# Altium PCB AX7103-2021-0629.PcbDoc (part 5 of 7)
Units mil, origin at the board's own origin, x right, y up, seen from the top; angles counter-clockwise.
Board outline 7406.51 x 4363.82 mil, 6 copper layers (TOP, SGND, IN1, IN2, SGND1, BOTTOM), stack 47.2 mil thick; 347 components, 454 nets, 1784 pads, 724 vias.
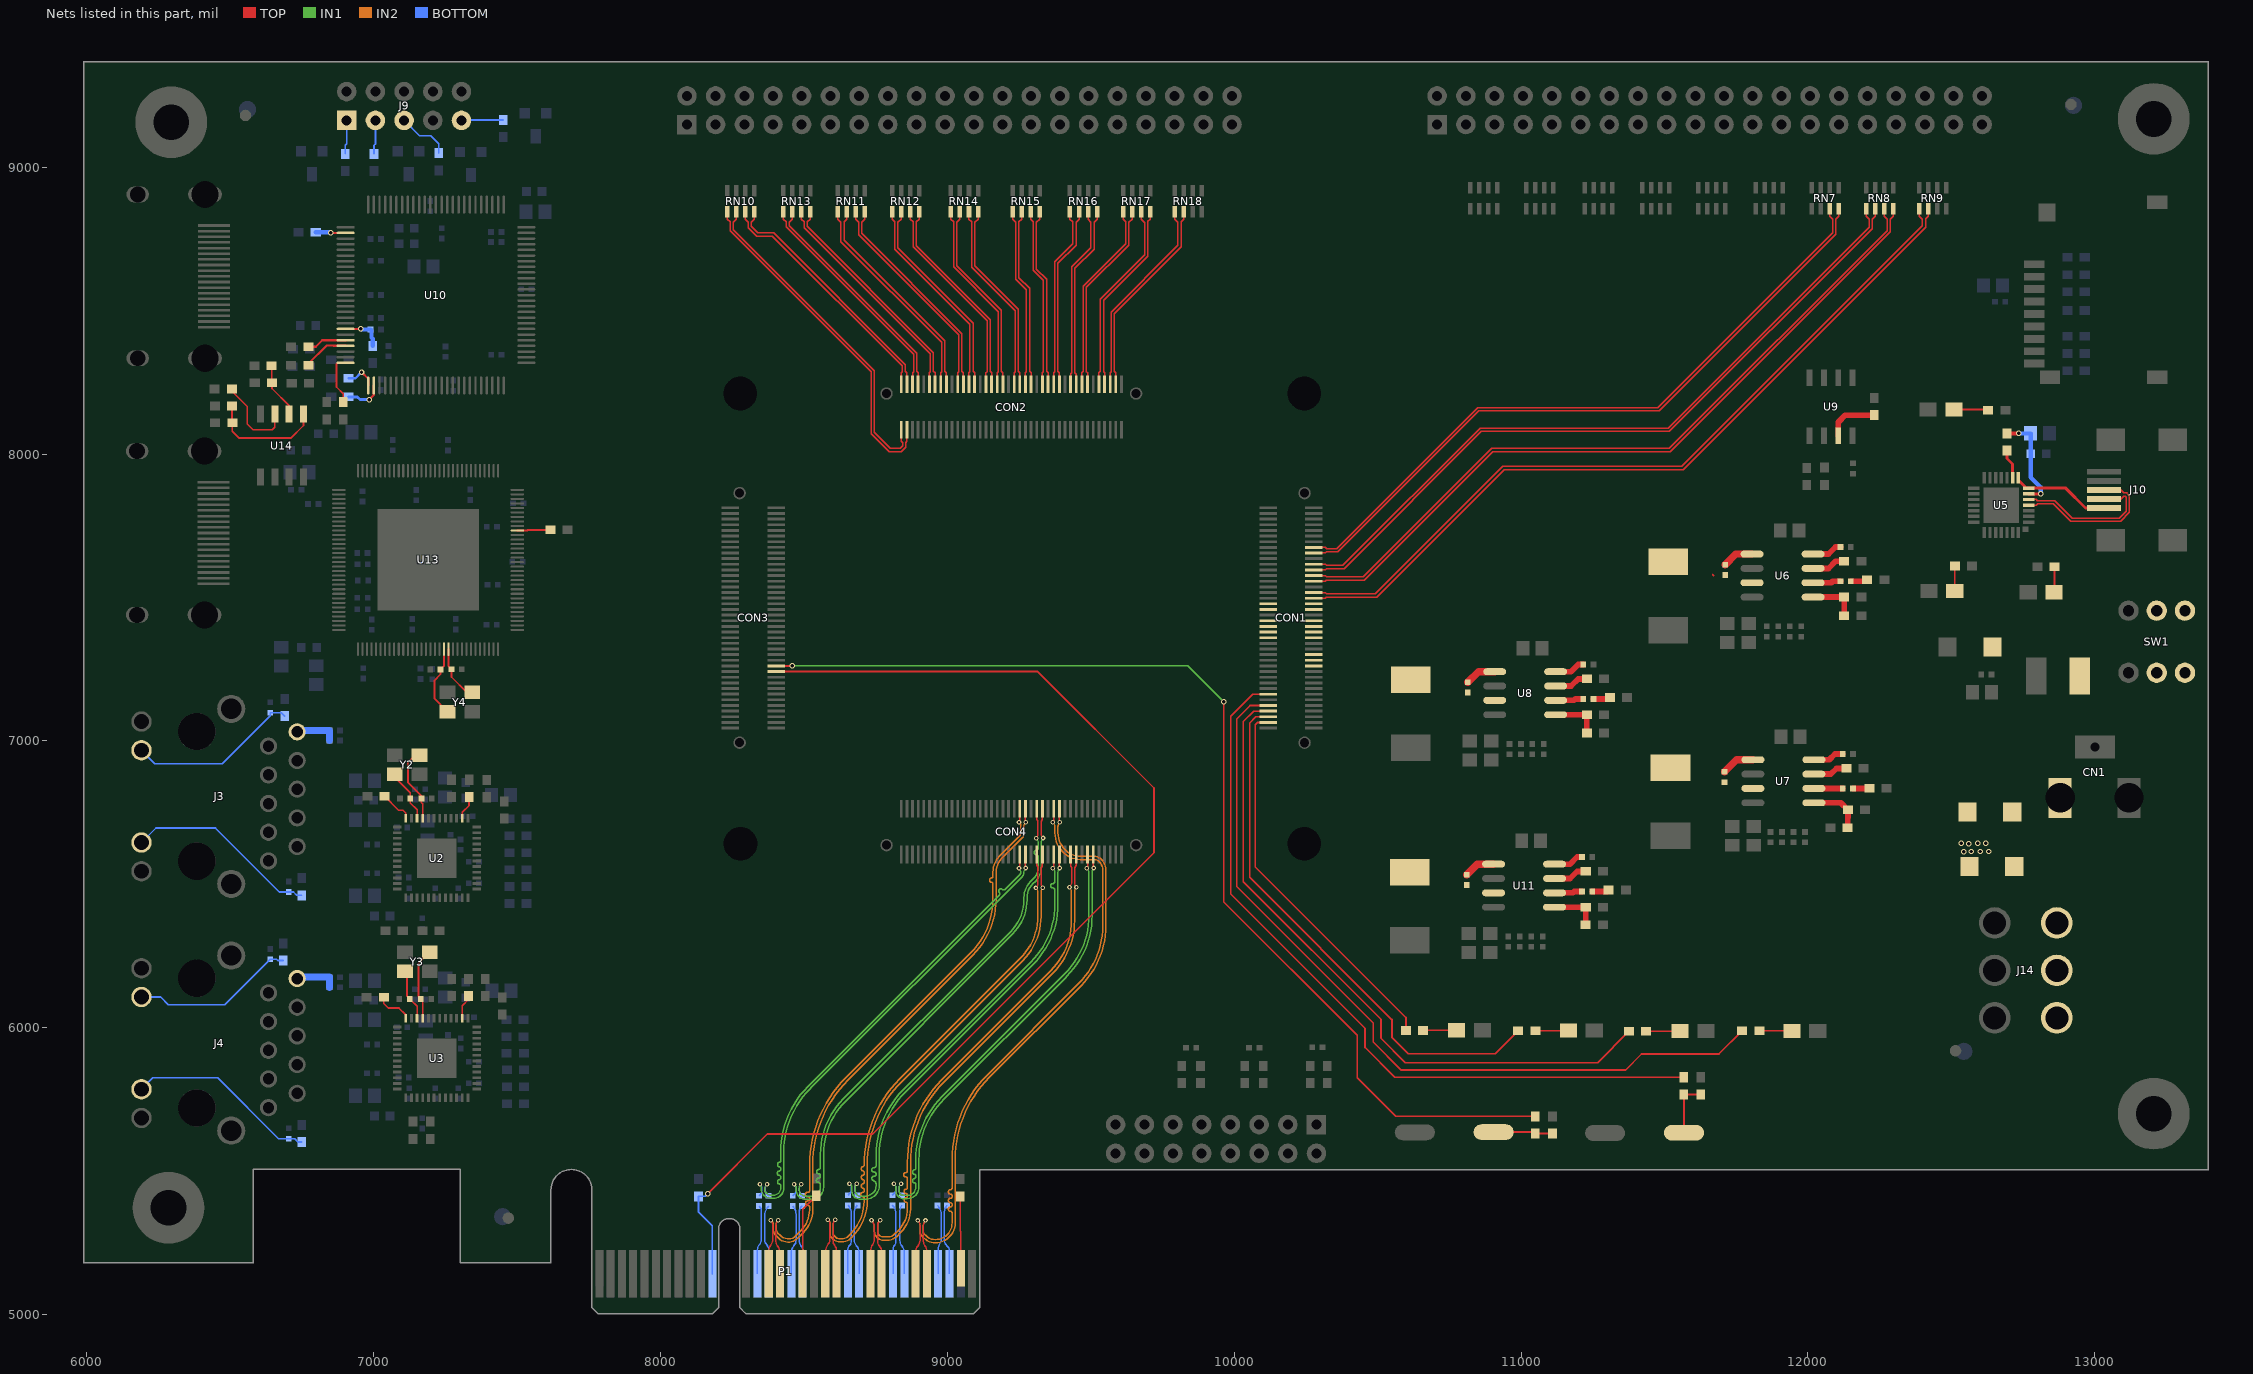
[diagram p9: the nets of this part, all layers, seen from the top]

## Via types
v1: diameter 19, hole 12, TOP to BOTTOM, 688 vias
v2: diameter 16, hole 8, TOP to BOTTOM, 36 vias

## Nets (pads, with @x,y where several pads share a name; then routed paths per layer and width w, separated by ;. In a path a pad name is that pad's centre, name@x,y a point inside that pad or via, vN(x,y) a via of type N, cw(c..) or ccw(c..) an arc to the next point about the centre after c; other vN are vias at no path point) (continued)
IO1_14N: CON1.18 RN7.4 | length 2372.1
  TOP w5: CON1.18@10278.03,7655.33 10317.95,7655.33 10322.47,7659.85 10362.04,7659.85 10853.04,8150.85 11481.04,8150.85 12097.04,8766.85 12097.04,8819.08 12107.29,8829.33 RN7.4@12107.29,8855.27
IO1_14P: CON1.16 RN7.3 | length 2353.7
  TOP w5: CON1.16@10278.03,7675.01 10317.95,7675.01 10322.11,7670.85 10357.48,7670.85 10848.48,8161.85 11476.48,8161.85 12086.04,8771.41 12086.04,8819.08 12075.79,8829.33 RN7.3@12075.79,8855.27
IO1_15N: CON1.24 RN8.2 | length 2512.4
  TOP w5: CON1.24@10278.03,7596.27 10317.95,7596.27 10322.53,7600.85 10384.04,7600.85 10862.04,8078.85 11517.04,8078.85 12224.04,8785.85 12224.04,8819.08 12234.3,8829.34 RN8.2@12234.3,8855.28
IO1_15P: CON1.22 RN8.1 | length 2494
  TOP w5: CON1.22@10278.03,7615.96 10317.94,7615.96 10322.05,7611.85 10379.48,7611.85 10857.48,8089.85 11512.48,8089.85 12213.04,8790.41 12213.04,8819.1 12202.8,8829.34 RN8.1@12202.8,8855.28
IO1_16N: CON1.28 RN8.4 | length 2598.2
  TOP w5: CON1.28@10278.03,7556.9 10317.95,7556.9 10321.9,7560.85 10454.04,7560.85 10902.04,8008.85 11521.04,8008.85 12287.04,8774.85 12287.04,8819.09 12297.29,8829.34 RN8.4@12297.29,8855.28
IO1_16P: CON1.26 RN8.3 | length 2580.3
  TOP w5: CON1.26@10278.03,7576.59 10317.94,7576.59 10322.68,7571.85 10449.48,7571.85 10897.48,8019.85 11516.48,8019.85 12276.04,8779.41 12276.04,8819.09 12265.79,8829.34 RN8.3@12265.79,8855.28
IO1_17N: CON1.34 RN9.2 | length 2735.9
  TOP w5: CON1.34@10278.03,7497.85 10317.95,7497.85 10321.95,7501.85 10497.04,7501.85 10941.04,7945.85 11565.04,7945.85 12410.04,8790.85 12410.04,8820.08 12419.3,8829.34 RN9.2@12419.3,8855.28
IO1_17P: CON1.32 RN9.1 | length 2718.7
  TOP w5: CON1.32@10278.03,7517.53 10317.95,7517.53 10322.63,7512.85 10492.48,7512.85 10936.48,7956.85 11560.48,7956.85 12399.04,8795.41 12399.04,8818.1 12387.8,8829.34 RN9.1@12387.8,8855.28
IO2_1N: CON2.3 RN10.1 | length 1196.2
  TOP w5: RN10.1@8232.8,8845.27 8232.8,8819.33 8243.04,8809.09 8243.04,8778.29 8735.04,8286.29 8735.04,8071.29 8797.48,8008.85 8840.04,8008.85 8855.04,8023.85 8855.04,8040.17 8859.23,8044.36 CON2.3@8859.23,8084.27
IO2_1P: CON2.1 RN10.2 | length 1159.9
  TOP w5: RN10.2@8264.3,8845.27 8264.3,8819.33 8254.04,8809.07 8254.04,8782.85 8746.04,8290.85 8746.04,8075.85 8802.04,8019.85 8835.48,8019.85 8844.04,8028.41 8844.04,8039.85 8839.54,8044.35 CON2.1@8839.54,8084.27
IO2_2N: CON2.4 RN10.4 | length 862.6
  TOP w5: RN10.4@8327.29,8845.27 8327.29,8819.33 8317.04,8809.08 8317.04,8793.85 8340.04,8770.85 8395.04,8770.85 8854.04,8311.85 8854.04,8288.81 8859.23,8283.62 CON2.4@8859.23,8243.71
IO2_2P: CON2.2 RN10.3 | length 861.9
  TOP w5: RN10.3@8295.79,8845.27 8295.79,8819.33 8306.04,8809.08 8306.04,8789.29 8335.48,8759.85 8390.48,8759.85 8843.04,8307.29 8843.04,8287.13 8839.54,8283.63 CON2.2@8839.54,8243.71
IO2_3N: CON2.8 RN13.2 | length 792
  TOP w5: RN13.2@8459.3,8845.28 8459.3,8819.34 8449.04,8809.08 8449.04,8796.85 8894.04,8351.85 8894.04,8288.18 8898.6,8283.62 CON2.8@8898.6,8243.71
IO2_3P: CON2.6 RN13.1 | length 791.8
  TOP w5: RN13.1@8427.8,8845.28 8427.8,8819.34 8438.04,8809.1 8438.04,8792.29 8883.04,8347.29 8883.04,8287.76 8878.91,8283.63 CON2.6@8878.91,8243.71
IO2_4N: CON2.14 RN13.4 | length 790.4
  TOP w5: RN13.4@8522.29,8845.28 8522.29,8819.34 8512.04,8809.09 8512.04,8795.41 8512.19,8795.26 8512.19,8793.7 8952.04,8353.85 8952.04,8289.24 8957.65,8283.63 CON2.14@8957.65,8243.71
IO2_4P: CON2.12 RN13.3 | length 789.3
  TOP w5: RN13.3@8490.79,8845.28 8490.79,8819.34 8501.04,8809.09 8501.04,8790.85 8501.19,8790.7 8501.19,8789.14 8941.04,8349.29 8941.04,8286.7 8937.97,8283.63 CON2.12@8937.97,8243.71
IO2_5N: CON2.16 RN11.1 | length 752.7
  TOP w5: RN11.1@8617.8,8845.27 8617.8,8819.33 8629.55,8807.58 8629.55,8740.78 8980.04,8390.29 8980.04,8286.33 8977.34,8283.63 CON2.16@8977.34,8243.71
IO2_5P: CON2.18 RN11.2 | length 752.8
  TOP w5: RN11.2@8649.3,8845.27 8649.3,8819.33 8640.55,8810.58 8640.55,8745.34 8991.04,8394.85 8991.04,8289.61 8997.02,8283.63 CON2.18@8997.02,8243.71
IO2_6N: CON2.22 RN11.3 | length 751.9
  TOP w5: RN11.3@8680.79,8845.27 8680.79,8819.33 8691.04,8809.08 8691.04,8764.85 9040.04,8415.85 9040.04,8287.28 9036.39,8283.63 CON2.22@9036.39,8243.71
IO2_6P: CON2.24 RN11.4 | length 752.5
  TOP w5: RN11.4@8712.29,8845.27 8712.29,8819.33 8702.04,8809.08 8702.04,8769.41 9051.04,8420.41 9051.04,8288.66 9056.08,8283.62 CON2.24@9056.08,8243.71
IO2_7N: CON2.28 RN12.2 | length 717
  TOP w5: RN12.2@8839.3,8845.28 8839.3,8819.34 8828.04,8808.08 8828.04,8718.85 9090.04,8456.85 9090.04,8289.03 9095.45,8283.62 CON2.28@9095.45,8243.71
IO2_7P: CON2.26 RN12.1 | length 715.3
  TOP w5: RN12.1@8807.8,8845.28 8807.8,8819.34 8817.04,8810.1 8817.04,8714.29 9079.04,8452.29 9079.04,8286.91 9075.76,8283.63 CON2.26@9075.76,8243.71
IO2_8N: CON2.32 RN12.3 | length 714.4
  TOP w5: RN12.3@8870.79,8845.28 8870.79,8819.34 8881.04,8809.09 8881.04,8722.29 9139.04,8464.29 9139.04,8287.85 9134.82,8283.63 CON2.32@9134.82,8243.71
IO2_8P: CON2.34 RN12.4 | length 714.5
  TOP w5: RN12.4@8902.29,8845.28 8902.29,8819.34 8892.04,8809.09 8892.04,8726.85 9150.04,8468.85 9150.04,8288.09 9154.5,8283.63 CON2.34@9154.5,8243.71
IO2_9N: CON2.36 RN14.1 | length 671.6
  TOP w5: RN14.1@9012.8,8845.27 9012.8,8819.33 9022.04,8810.09 9022.04,8652.29 9178.04,8496.29 9178.04,8287.48 9174.19,8283.63 CON2.36@9174.19,8243.71
IO2_9P: CON2.38 RN14.2 | length 672.8
  TOP w5: RN14.2@9044.3,8845.27 9044.3,8819.33 9033.04,8808.07 9033.04,8656.85 9189.04,8500.85 9189.04,8288.46 9193.87,8283.63 CON2.38@9193.87,8243.71
IO2_10N: CON2.44 RN14.4 | length 671.2
  TOP w5: RN14.4@9107.29,8845.27 9107.29,8819.33 9096.04,8808.08 9096.04,8656.41 9248.04,8504.41 9248.04,8288.51 9252.93,8283.62 CON2.44@9252.93,8243.71
IO2_10P: CON2.42 RN14.3 | length 669.9
  TOP w5: RN14.3@9075.79,8845.27 9075.79,8819.33 9085.04,8810.08 9085.04,8651.85 9237.04,8499.85 9237.04,8287.43 9233.24,8283.63 CON2.42@9233.24,8243.71
IO2_11N: CON2.48 RN15.2 | length 622.9
  TOP w5: RN15.2@9259.3,8845.28 9259.3,8819.34 9250.04,8810.08 9250.04,8614.85 9287.04,8577.85 9287.04,8288.88 9292.3,8283.62 CON2.48@9292.3,8243.71
IO2_11P: CON2.46 RN15.1 | length 623
  TOP w5: RN15.1@9227.8,8845.28 9227.8,8819.34 9239.04,8808.1 9239.04,8610.29 9276.04,8573.29 9276.04,8287.06 9272.61,8283.63 CON2.46@9272.61,8243.71
IO2_12N: CON2.52 RN15.3 | length 621.3
  TOP w5: RN15.3@9290.79,8845.28 9290.79,8819.34 9300.04,8810.09 9300.04,8640.29 9335.04,8605.29 9335.04,8287 9331.67,8283.63 CON2.52@9331.67,8243.71
IO2_12P: CON2.54 RN15.4 | length 622.9
  TOP w5: RN15.4@9322.29,8845.28 9322.29,8819.34 9311.04,8808.09 9311.04,8644.85 9346.04,8609.85 9346.04,8288.94 9351.35,8283.63 CON2.54@9351.35,8243.71
IO2_13N: CON2.56 RN16.1 | length 633.6
  TOP w5: CON2.56@9371.04,8243.71 9371.04,8283.63 9375.04,8287.63 9375.04,8670.41 9438.04,8733.41 9438.04,8809.09 9427.8,8819.33 RN16.1@9427.8,8845.27
IO2_13P: CON2.58 RN16.2 | length 633.8
  TOP w5: CON2.58@9390.72,8243.71 9390.72,8283.63 9386.04,8288.31 9386.04,8665.85 9449.04,8728.85 9449.04,8809.07 9459.3,8819.33 RN16.2@9459.3,8845.27
IO2_14N: CON2.62 RN16.3 | length 635.2
  TOP w5: CON2.62@9430.09,8243.71 9430.09,8279.34 9434.04,8283.29 9434.04,8652.41 9501.04,8719.41 9501.04,8809.08 9490.79,8819.33 RN16.3@9490.79,8845.27
IO2_14P: CON2.64 RN16.4 | length 635.5
  TOP w5: CON2.64@9449.78,8243.71 9449.78,8279.11 9445.04,8283.85 9445.04,8647.85 9512.04,8714.85 9512.04,8809.08 9522.29,8819.33 RN16.4@9522.29,8845.27
IO2_15N: CON2.66 RN17.1 | length 668.6
  TOP w5: CON2.66@9469.46,8243.71 9469.46,8283.63 9474.04,8288.21 9474.04,8585.41 9622.04,8733.41 9622.04,8810.1 9612.8,8819.34 RN17.1@9612.8,8845.28
IO2_15P: CON2.68 RN17.2 | length 669.2
  TOP w5: CON2.68@9489.15,8243.71 9489.15,8283.62 9485.04,8287.73 9485.04,8580.85 9633.04,8728.85 9633.04,8808.08 9644.3,8819.34 RN17.2@9644.3,8845.28
IO2_16N: CON2.72 RN17.3 | length 672.7
  TOP w5: CON2.72@9528.52,8243.71 9528.52,8283.63 9534.04,8289.15 9534.04,8540.41 9688.04,8694.41 9688.04,8807.09 9675.79,8819.34 RN17.3@9675.79,8845.28
IO2_16P: CON2.74 RN17.4 | length 670.1
  TOP w5: CON2.74@9548.2,8243.71 9548.2,8283.63 9545.04,8286.79 9545.04,8535.85 9699.04,8689.85 9699.04,8811.09 9707.29,8819.34 RN17.4@9707.29,8845.28
IO2_17N: CON2.78 RN18.2 | length 704.2
  TOP w5: CON2.78@9587.57,8243.71 9587.57,8283.63 9582.04,8289.16 9582.04,8489.85 9815.04,8722.85 9815.04,8810.08 9824.3,8819.34 RN18.2@9824.3,8845.28
IO2_17P: CON2.76 RN18.1 | length 704
  TOP w5: CON2.76@9567.89,8243.71 9567.89,8283.63 9571.04,8286.78 9571.04,8494.41 9804.04,8727.41 9804.04,8808.1 9792.8,8819.34 RN18.1@9792.8,8845.28
KEY1: CON3.23 R133.2 | length 3792.7
  TOP w6: CON3.23@8403.12,7261.67 8459.86,7261.67 v1(8460.04,7261.85) ; v1(9964.04,7136.85) 9964.04,6438.85 10429.04,5973.85 10429.04,5825.85 10563.04,5691.85 R133.2@11049.9,5691.85
  IN1 w5: v1(8460.04,7261.85) 9839.04,7261.85 v1(9964.04,7136.85)
KEY2: CON1.67 R158.2 | length 2664.4
  TOP w6: CON1.67@10118.59,7163.2 10065.39,7163.2 9988.04,7085.85 9988.04,6466.85 10456.04,5998.85 10456.04,5931.85 10560.04,5827.85 R158.2@11566.9,5827.85
LED1: CON1.77 R135.1 | length 1331.2
  TOP w6: CON1.77@10118.59,7064.78 10082.04,7064.78 10073.97,7056.71 10073.97,6560.92 10599.04,6035.85 R135.1@10599.04,5990.99
LED2: CON1.75 R134.1 | length 1871.8
  TOP w6: CON1.75@10118.59,7084.46 10075.65,7084.46 10054.04,7062.85 10054.04,6524.85 10550.04,6028.85 10550.04,5966.85 10607.04,5909.85 10909.9,5909.85 R134.1@10990.04,5989.99
LED3: CON1.73 R152.1 | length 2348.8
  TOP w6: CON1.73@10118.59,7104.15 10068.34,7104.15 10032.04,7067.85 10032.04,6509.85 10512.04,6029.85 10512.04,5963.85 10597.04,5878.85 11266.9,5878.85 R152.1@11376.04,5987.99
LED4: CON1.71 R153.1 | length 2835.6
  TOP w6: CON1.71@10118.59,7123.83 10118.11,7123.35 10055.54,7123.35 10009.04,7076.85 10009.04,6492.85 10485.04,6016.85 10485.04,5950.85 10583.04,5852.85 11364.04,5852.85 11420.04,5908.85 11689.9,5908.85 R153.1@11771.04,5989.99
N16762130: C154.2 R145.1 | length 57.1
  TOP w20: C154.2@12157.6,6834.62 12214.46,6834.62 R145.1@12214.6,6834.76
N16762134: C145.2 L14.1 U7.3
N16762178: R143.2 R144.1 U7.5 | length 191
  TOP w20: U7.5@12020.9,6784.62 12114.74,6784.62 R144.1@12139.6,6759.76 R143.2@12138.6,6697.76
N16762338: C153.1 U7.8 | length 109
  TOP w20: U7.8@12020.9,6934.62 12074.6,6934.62 12094.6,6954.62 C153.1@12121.6,6954.62
N16762406: C145.1 U7.1 | length 116.1
  TOP w25: C145.1@11709.6,6892.62 11751.6,6934.62 U7.1@11808.3,6934.62
N16762558: C154.1 U7.6 | length 100.7
  TOP w20: U7.6@12020.9,6834.62 C154.1@12121.6,6834.62
N16762594: R142.2 U7.7 | length 121.9
  TOP w20: U7.7@12020.9,6884.62 12079.74,6884.62 12099.6,6904.48 R142.2@12134.6,6904.48
N16786209: J10.1 U5.7 U5.8 | length 347.3
  TOP w10: U5.8@12733.31,7917.85 12733.31,7909.58 12761.65,7881.24 U5.7@12769.92,7881.24 12898.65,7881.24 12967.9,7811.99 J10.1@13031.9,7811.99
N16786264: J10.2 U5.5 | length 509.9
  TOP w5: U5.5@12769.92,7841.87 12796.3,7841.87 12800.32,7837.85 12860.04,7837.85 12921.04,7776.85 13085.48,7776.85 13110.04,7801.41 13110.04,7850.29 13106.6,7853.73 13100.92,7853.73 13090.67,7843.48 J10.2@13031.9,7843.48
N16786323: J10.3 U5.4 | length 546.6
  TOP w5: U5.4@12769.92,7822.18 12796.31,7822.18 12800.98,7826.85 12855.48,7826.85 12916.48,7765.85 13090.04,7765.85 13121.04,7796.85 13121.04,7854.85 13111.16,7864.73 13100.16,7864.73 13089.91,7874.98 J10.3@13031.9,7874.98
N16786347: R125.1 U5.9 | length 102.4
  TOP w10: R125.1@12694.11,8012.18 12694.11,7984.78 12713.62,7965.27 U5.9@12713.62,7917.85
N16786363: C129.1 C130.1 R125.2 U5.6 | length 349.3
  TOP w10: U5.6@12769.92,7861.55 v1(12811.74,7861.55)
  TOP w15: R125.2@12694.11,8072.18 v1(12734.37,8072.18)
  BOTTOM w15: v1(12734.37,8072.18) C130.1@12776.25,8072.18 12776.75,8071.68 C129.1@12776.75,8001.18 12777.04,8000.89 12777.04,7918.85 12811.74,7884.15 v1(12811.74,7861.55)
N16786586: LED4.2 R127.2 | length 87.2
  TOP w6: LED4.2@12511.81,7522.73 12511.81,7609.64 R127.2@12512.01,7609.84
N16786620: LED3.2 R126.2 | length 120.9
  TOP w6: LED3.2@12508.81,8155.33 12625.84,8155.33 R126.2@12628.55,8152.62
N16880171: D23.2 SW1.2 SW1.5
N16880223: D24.2 D25.2 F1.1 SW1.3 SW1.6
  other v1: 12543.04,6613.85 12570.04,6614.85 12601.04,6614.85 12630.04,6614.85 12561.04,6641.85 12534.04,6642.85 12592.04,6642.85 12620.04,6642.85
N16943156: CON1.37
N16943158: CON1.45
N16943160: CON1.47
N16943192: CON1.43
N16943194: CON1.41
N16943509: CON1.58
N16943511: CON1.56
N16943514: CON1.46
N16943516: CON1.48
N16943518: CON1.36
N16943520: CON1.38
N16943530: CON1.44
N16943532: CON1.42
N16943534: CON1.54
N16944663: CON1.35
N16954113: J9.1 R121.1 | length 118.6
  BOTTOM w6: R121.1@6901.9,9046.85 6901.9,9077.07 6906.68,9081.85 J9.1@6906.68,9163.48
N16954115: J9.3 R122.1 | length 118.6
  BOTTOM w6: R122.1@7001.9,9046.85 7001.9,9076.07 7006.68,9080.85 J9.3@7006.68,9163.48
N16954117: J9.5 R123.1 | length 188.1
  BOTTOM w6: J9.5@7106.68,9163.48 7160.31,9109.85 7200.04,9109.85 7227.9,9081.99 R123.1@7227.9,9048.85
N16954119: J9.9 R124.1 | length 145.8
  BOTTOM w6: J9.9@7306.68,9163.48 7308.05,9164.85 R124.1@7451.9,9164.85
N16958016: KEY1.1 R131.1 R133.1 | length 207.1
  TOP w6: KEY1.1@10904.79,5636.67 11045.08,5636.67 R133.1@11049.9,5631.85 R131.1@11109.9,5631.84
N17041832: LED5.2 R136.2 | length 89.4
  TOP w6: LED5.2@12857.88,7518.44 12859.88,7520.44 R136.2@12859.88,7607
N17086848: P1.B31 R102.2 | length 251.8
  TOP w6: R102.2@9045.18,5412.85 9045.18,5291.71 9047.12,5289.77 P1.B31@9047.12,5161.85
N17086955: P1.B17 R101.2 | length 292.1
  TOP w6: P1.B17@8495.94,5142.35 8495.94,5367.61 R101.2@8543.18,5414.85
N17086969: C110.1 P1.A17 | length 242.4
  BOTTOM w5: 8484.04,5259.82 ccw(c8524.67,5259.82) 8486.92,5244.8 cw(c8465.14,5223.02) 8495.94,5223.02 P1.A17@8495.94,5142.35 ; 8484.04,5259.83 8484.04,5358.82 cw(c8504.04,5358.81) 8485.57,5366.48 8487.5,5371.12 cw(c8502.82,5364.76) 8493.6,5378.55 C110.1@8494.04,5378.85
N17086971: C109.1 P1.A16 | length 243.7
  BOTTOM w5: P1.A16@8456.57,5142.35 8456.57,5215.37 cw(c8498.43,5215.37) 8468.83,5244.97 ccw(c8441.05,5260.83) 8473.04,5260.83 8473.04,5349.88 ccw(c8432.07,5349.88) C109.1@8461.04,5378.85
N17086973: C115.1 P1.A22 | length 245.5
  BOTTOM w5: C115.1@8687.04,5380.85 ccw(c8713.6,5354.29) 8676.04,5354.29 8676.04,5258.94 ccw(c8700.96,5258.94) 8683.34,5241.32 cw(c8646.87,5213.42) 8692.79,5213.42 P1.A22@8692.79,5142.35
N17086975: C116.1 P1.A21 | length 244.3
  BOTTOM w5: P1.A21@8653.42,5142.35 8653.42,5223.59 cw(c8685.75,5223.59) 8662.89,5246.45 ccw(c8642.44,5256.07) 8665.04,5256.06 8665.04,5354.29 ccw(c8627.48,5354.29) C116.1@8654.04,5380.85
N17086977: C113.1 P1.A26 | length 244.1
  BOTTOM w5: C113.1@8842.04,5380.85 ccw(c8858.94,5363.95) 8835.04,5363.95 8835.04,5257.45 ccw(c8859.69,5257.45) 8842.26,5240.02 cw(c8810.8,5216.18) 8850.27,5216.18 P1.A26@8850.27,5142.35
N17086979: C114.1 P1.A25 | length 244
  BOTTOM w5: C114.1@8809.04,5380.85 cw(c8780.07,5351.88) 8821.04,5351.88 8821.04,5256.72 cw(c8795.98,5256.72) 8813.7,5239 ccw(c8845.52,5225.36) 8810.9,5225.37 P1.A25@8810.9,5142.35
N17086981: C155.1 P1.A30 | length 245.6
  BOTTOM w5: C155.1@8999.04,5380.85 ccw(c9020.77,5359.12) 8990.04,5359.12 8990.04,5261.71 ccw(c9019.68,5261.71) 8998.72,5240.75 cw(c8976.92,5218.95) 9007.75,5218.95 P1.A30@9007.75,5142.35
N17086983: C156.1 P1.A29 | length 244.4
  BOTTOM w5: C156.1@8966.04,5380.85 cw(c8934.66,5349.47) 8979.04,5349.47 8979.04,5262 cw(c8954.29,5262) 8971.79,5244.5 ccw(c9004.78,5229.12) 8968.38,5229.12 P1.A29@8968.38,5142.35
N17087016: C112.1 P1.A14 | length 243.7
  BOTTOM w5: C112.1@8377.04,5378.85 ccw(c8410.84,5345.05) 8363.04,5345.05 8363.04,5267.4 ccw(c8404.73,5267.41) 8368.36,5247.03 cw(c8345.5,5224.17) 8377.83,5224.17 P1.A14@8377.83,5142.35
N17087018: C111.1 P1.A13 | length 242.3
  BOTTOM w5: P1.A13@8338.46,5142.35 8338.46,5226.63 cw(c8363.96,5226.63) 8345.93,5244.66 ccw(c8320.6,5263.28) 8352.04,5263.28 8352.04,5365.19 ccw(c8345.07,5365.2) 8351.61,5367.61 8350.83,5369.72 ccw(c8338.96,5365.3) 8348.57,5373.55 C111.1@8344.04,5378.85
N17090580: C71.2 R52.1 U10.44 | length 148
  TOP w8: U10.44@6902.84,8436.35 v1(6955.19,8436.35)
  BOTTOM w15: v1(6955.19,8436.35) 6957.08,8434.46 C71.2@6989.8,8434.46 6992.8,8431.46 6992.8,8406.46 6997.66,8401.6 R52.1@6997.66,8377.46
N17090685: R58.1 U10.27 | length 105.1
  TOP w8: v1(6851.3,8770.99) U10.27@6902.84,8770.99
  BOTTOM w15: R58.1@6798.8,8773.46 6848.83,8773.46 v1(6851.3,8770.99)
N17090814: R54.1 U10.47 | length 162.6
  TOP w8: R54.1@6772.8,8309.32 6772.8,8314.79 6836.8,8378.79 6860.47,8378.79 6861.97,8377.29 U10.47@6902.84,8377.29
N17090816: R53.1 U10.46 | length 139.4
  TOP w8: R53.1@6772.8,8374.32 6798.66,8374.32 6821.32,8396.98 U10.46@6902.84,8396.98
N17090818: R56.1 U10.51 | length 110.5
  TOP w8: v1(6958.3,8285.96) 6981.58,8262.68 U10.51@6981.58,8239.5
  BOTTOM w8: R56.1@6912.8,8264.6 6936.94,8264.6 v1(6958.3,8285.96)
N17090820: R55.1 U10.52 | length 132.6
  TOP w8: v1(6985.3,8189.96) 7001.27,8205.93 U10.52@7001.27,8239.5
  BOTTOM w10: R55.1@6912.8,8199.6 6943.3,8199.6 6952.94,8189.96 v1(6985.3,8189.96)
N17090980: R57.1 U10.50 | length 176.8
  TOP w6: R57.1@6894.18,8180.85 6894.18,8210.71 6871.04,8233.85 6871.04,8314.85 6874.43,8318.24 U10.50@6902.84,8318.24
N17097483: R137.2 U13.119 | length 116.2
  TOP w8: U13.119@7501.4,7733.68 7536.02,7733.68 7538.16,7735.82 7616.15,7735.82 R137.2@7616.54,7736.21
N17097876: C180.1 U13.85 Y4.3 | length 196.4
  TOP w6: U13.85@7261.25,7320.3 7261.25,7260.64 C180.1@7272.04,7249.85 7272.04,7222.85 7325.58,7169.31 Y4.3@7344.35,7169.31

## Text inside footprints (layer, text, board x,y; h text height)
J13: PIN_NUMBER "2" at 8082.7,9248.82 h25; PIN_NUMBER "40" at 9972.7,9248.82 h25; PIN_NUMBER "39" at 9972.7,9148.82 h25; PIN_NUMBER "38" at 9872.7,9248.82 h25; PIN_NUMBER "37" at 9872.7,9148.82 h25; PIN_NUMBER "1" at 8082.7,9148.82 h25; PIN_NUMBER "3" at 8182.7,9148.82 h25; PIN_NUMBER "5" at 8282.7,9148.82 h25; PIN_NUMBER "7" at 8382.7,9148.82 h25; PIN_NUMBER "9" at 8482.7,9148.82 h25; PIN_NUMBER "11" at 8572.7,9148.82 h25; PIN_NUMBER "13" at 8672.7,9148.82 h25; PIN_NUMBER "15" at 8772.7,9148.82 h25; PIN_NUMBER "17" at 8872.7,9148.82 h25; PIN_NUMBER "19" at 8972.7,9148.82 h25; PIN_NUMBER "21" at 9072.7,9148.82 h25; PIN_NUMBER "23" at 9172.7,9148.82 h25; PIN_NUMBER "25" at 9272.7,9148.82 h25; PIN_NUMBER "27" at 9372.7,9148.82 h25; PIN_NUMBER "29" at 9472.7,9148.82 h25; PIN_NUMBER "31" at 9572.7,9148.82 h25; PIN_NUMBER "33" at 9672.7,9148.82 h25; PIN_NUMBER "35" at 9772.7,9148.82 h25; PIN_NUMBER "4" at 8182.7,9248.82 h25; PIN_NUMBER "6" at 8282.7,9248.82 h25; PIN_NUMBER "8" at 8382.7,9248.82 h25; PIN_NUMBER "10" at 8472.7,9248.82 h25; PIN_NUMBER "12" at 8572.7,9248.82 h25; PIN_NUMBER "14" at 8672.7,9248.82 h25; PIN_NUMBER "16" at 8772.7,9248.82 h25; PIN_NUMBER "18" at 8872.7,9248.82 h25; PIN_NUMBER "20" at 8972.7,9248.82 h25; PIN_NUMBER "22" at 9072.7,9248.82 h25; PIN_NUMBER "24" at 9172.7,9248.82 h25; PIN_NUMBER "26" at 9272.7,9248.82 h25; PIN_NUMBER "28" at 9372.7,9248.82 h25; PIN_NUMBER "30" at 9472.7,9248.82 h25; PIN_NUMBER "32" at 9572.7,9248.82 h25; PIN_NUMBER "34" at 9672.7,9248.82 h25; PIN_NUMBER "36" at 9772.7,9248.82 h25
J14: PIN_NUMBER "4" at 12638.63,6365.67 h31; PIN_NUMBER "5" at 12638.63,6200.32 h31; PIN_NUMBER "6" at 12638.63,6034.97 h31; PIN_NUMBER "1" at 12855.17,6365.67 h31; PIN_NUMBER "2" at 12855.17,6200.32 h31; PIN_NUMBER "3" at 12855.17,6034.97 h31; DIMSYM "MFR:MOLEX 39-30-1060" at 12209.3,7325.32 h75; DIMSYM "SYMB NAME: CON_MOL_5569_6P" at 12184.3,7175.32 h75; DIMSYM "COMP. HT: 380 MIL" at 12184.3,7025.32 h75; DIMSYM "PADSTACKS: C110H71Z90, C155H125" at 12184.3,6875.32 h75; DIMSYM "DIM IN INCH [MM]" at 12184.3,6725.32 h75; DIMSYM "12.78" at 13872.3,5262.82 h75; DIMSYM "13.97" at 11796.8,5213.32 h75 r90; DIMSYM "7.28" at 14009.8,4962.82 h75; DIMSYM "4.20" at 12021.8,5300.82 h75 r90; DIMSYM "5.50" at 13909.8,5512.82 h75
J15: PIN_NUMBER "21" at 6390.76,8010.41 h25; PIN_NUMBER "23" at 6156.11,8010.41 h25; PIN_NUMBER "17" at 6422.26,7862.77 h25; PIN_NUMBER "11" at 6422.26,7744.66 h25; PIN_NUMBER "8" at 6432.26,7685.6 h25; PIN_NUMBER "5" at 6432.26,7626.55 h25; PIN_NUMBER "20" at 6390.76,7439.54 h25; PIN_NUMBER "2" at 6432.26,7567.49 h25; PIN_NUMBER "22" at 6156.11,7439.54 h25; PIN_NUMBER "14" at 6422.26,7803.71 h25; PIN_NUMBER "13" at 6422.26,7784.03 h25; PIN_NUMBER "9" at 6432.26,7705.29 h25; PIN_NUMBER "4" at 6432.26,7606.86 h25; PIN_NUMBER "10" at 6422.26,7724.97 h25; PIN_NUMBER "7" at 6432.26,7665.92 h25; PIN_NUMBER "6" at 6432.26,7646.23 h25; PIN_NUMBER "16" at 6422.26,7843.08 h25; PIN_NUMBER "3" at 6432.26,7587.18 h25; PIN_NUMBER "12" at 6422.26,7764.34 h25; PIN_NUMBER "15" at 6422.26,7823.4 h25; PIN_NUMBER "1" at 6432.26,7547.81 h25; PIN_NUMBER "19" at 6422.26,7902.14 h25; PIN_NUMBER "18" at 6422.26,7882.45 h25
J18: PIN_NUMBER "16" at 9567.04,5562.85 h25 r180; PIN_NUMBER "15" at 9567.04,5662.85 h25 r180; PIN_NUMBER "4" at 10177.04,5562.85 h25 r180; PIN_NUMBER "3" at 10177.04,5662.85 h25 r180; PIN_NUMBER "8" at 9977.04,5562.85 h25 r180; PIN_NUMBER "7" at 9977.04,5662.85 h25 r180; PIN_NUMBER "12" at 9767.04,5562.85 h25 r180; PIN_NUMBER "11" at 9767.04,5662.85 h25 r180; PIN_NUMBER "14" at 9667.04,5562.85 h25 r180; PIN_NUMBER "13" at 9667.04,5662.85 h25 r180; PIN_NUMBER "1" at 10277.04,5662.85 h25 r180; PIN_NUMBER "9" at 9877.04,5662.85 h25 r180; PIN_NUMBER "10" at 9867.04,5562.85 h25 r180; PIN_NUMBER "2" at 10277.04,5562.85 h25 r180; PIN_NUMBER "5" at 10077.04,5662.85 h25 r180; PIN_NUMBER "6" at 10077.04,5562.85 h25 r180
KEY1: PIN_NUMBER "2" at 10619.8,5635.67 h25 r180; PIN_NUMBER "1" at 10894.79,5636.67 h25 r180
KEY2: PIN_NUMBER "2" at 11283.28,5633.34 h25 r180; PIN_NUMBER "1" at 11558.27,5634.35 h25 r180
L3: PIN_NUMBER "1" at 6937.54,6792.85 h25 r180; PIN_NUMBER "2" at 6991.54,6792.85 h25 r180
L4: PIN_NUMBER "2" at 6993.54,6389.85 h25; PIN_NUMBER "1" at 7047.54,6389.85 h25
L5: PIN_NUMBER "2" at 7311.04,6855.35 h25 r270; PIN_NUMBER "1" at 7311.04,6801.35 h25 r270
L6: PIN_NUMBER "1" at 6937.54,6095.85 h25 r180; PIN_NUMBER "2" at 6991.54,6095.85 h25 r180
L7: PIN_NUMBER "1" at 7577.3,8915.46 h25; PIN_NUMBER "2" at 7523.3,8915.46 h25
L8: PIN_NUMBER "1" at 7131.8,8786.96 h25 r90; PIN_NUMBER "2" at 7131.8,8732.96 h25 r90
L9: PIN_NUMBER "1" at 7047.54,5692.85 h25; PIN_NUMBER "2" at 6993.54,5692.85 h25
L10: PIN_NUMBER "1" at 7311.04,6104.35 h25 r270; PIN_NUMBER "2" at 7311.04,6158.35 h25 r270
L13: PIN_NUMBER "2" at 11503.1,7386.03 h25 r270; PIN_NUMBER "1" at 11503.1,7624.21 h25 r270; DIMENSION "238.19" at 11734.6,7982.12 h25 r270; DIMENSION "6.05" at 11734.6,7809.12 h25 r270
L14: PIN_NUMBER "1" at 11511.1,6907.21 h25 r270; PIN_NUMBER "2" at 11511.1,6669.03 h25 r270; DIMENSION "238.19" at 11742.6,7265.12 h25 r270; DIMENSION "6.05" at 11742.6,7092.12 h25 r270
L15: PIN_NUMBER "1" at 7079.04,8787.35 h25 r90; PIN_NUMBER "2" at 7079.04,8733.35 h25 r90
L16: PIN_NUMBER "2" at 6851.54,8070.85 h25 r180; PIN_NUMBER "1" at 6797.54,8070.85 h25 r180
L17: PIN_NUMBER "1" at 6737.54,7325.85 h25 r180; PIN_NUMBER "2" at 6791.54,7325.85 h25 r180
L18: PIN_NUMBER "1" at 6756.04,8013.85 h25; PIN_NUMBER "2" at 6702.04,8013.85 h25
L19: PIN_NUMBER "2" at 10606.1,6976.03 h25 r270; PIN_NUMBER "1" at 10606.1,7214.21 h25 r270; DIMENSION "238.19" at 10837.6,7572.12 h25 r270; DIMENSION "6.05" at 10837.6,7399.12 h25 r270
L20: PIN_NUMBER "2" at 10602.1,6305.03 h25 r270; PIN_NUMBER "1" at 10602.1,6543.21 h25 r270; DIMENSION "238.19" at 10833.6,6901.12 h25 r270; DIMENSION "6.05" at 10833.6,6728.12 h25 r270
LED1: PIN_NUMBER "1" at 10855.54,5991.85 h25; PIN_NUMBER "2" at 10765.54,5991.85 h25
LED2: PIN_NUMBER "1" at 11245.54,5990.85 h25; PIN_NUMBER "2" at 11155.54,5990.85 h25
LED3: PIN_NUMBER "2" at 12498.81,8155.33 h25 r180; PIN_NUMBER "1" at 12408.81,8155.33 h25 r180
LED4: PIN_NUMBER "2" at 12501.81,7522.73 h25 r180; PIN_NUMBER "1" at 12411.81,7522.73 h25 r180
LED5: PIN_NUMBER "1" at 12757.88,7518.44 h25 r180; PIN_NUMBER "2" at 12847.88,7518.44 h25 r180
LED6: PIN_NUMBER "1" at 11634.54,5988.85 h25; PIN_NUMBER "2" at 11544.54,5988.85 h25
LED7: PIN_NUMBER "1" at 12024.54,5988.85 h25; PIN_NUMBER "2" at 11934.54,5988.85 h25
P1: PIN_NUMBER "A4" at 7905.38,5142.35 h0.01; PIN_NUMBER "B18" at 8535.3,5142.35 h0.01; PIN_NUMBER "B16" at 8456.56,5142.35 h0.01; PIN_NUMBER "B13" at 8338.45,5142.35 h0.01; PIN_NUMBER "A18" at 8535.3,5142.35 h0.01; PIN_NUMBER "A20" at 8614.04,5142.35 h0.01; PIN_NUMBER "B25" at 8810.89,5142.35 h0.01; PIN_NUMBER "A27" at 8889.63,5142.35 h0.01; PIN_NUMBER "A31" at 9047.11,5142.35 h0.01; PIN_NUMBER "A23" at 8732.15,5142.35 h0.01; PIN_NUMBER "B4" at 7905.38,5142.35 h0.01; PIN_NUMBER "B7" at 8023.49,5142.35 h0.01; PIN_NUMBER "B21" at 8653.41,5142.35 h0.01; PIN_NUMBER "B22" at 8692.78,5142.35 h0.01; PIN_NUMBER "B26" at 8850.26,5142.35 h0.01; PIN_NUMBER "B32" at 9086.48,5142.35 h0.01; PIN_NUMBER "B29" at 8968.37,5142.35 h0.01; PIN_NUMBER "A28" at 8929,5142.35 h0.01; PIN_NUMBER "A24" at 8771.52,5142.35 h0.01; PIN_NUMBER "A12" at 8299.08,5142.35 h0.01; PIN_NUMBER "A15" at 8417.19,5142.35 h0.01; PIN_NUMBER "B11" at 8180.97,5142.35 h0.01; PIN_NUMBER "B6" at 7984.12,5142.35 h0.01; PIN_NUMBER "B5" at 7944.75,5142.35 h0.01; PIN_NUMBER "A19" at 8574.67,5142.35 h0.01; PIN_NUMBER "A32" at 9086.48,5142.35 h0.01; PIN_NUMBER "B30" at 9007.74,5142.35 h0.01; PIN_NUMBER "B12" at 8299.08,5142.35 h0.01; PIN_NUMBER "B9" at 8102.23,5142.35 h0.01; PIN_NUMBER "A8" at 8062.86,5142.35 h0.01; PIN_NUMBER "A7" at 8023.49,5142.35 h0.01; PIN_NUMBER "A6" at 7984.12,5142.35 h0.01; PIN_NUMBER "A5" at 7944.75,5142.35 h0.01; PIN_NUMBER "B10" at 8141.6,5142.35 h0.01; PIN_NUMBER "B14" at 8377.82,5142.35 h0.01; PIN_NUMBER "B15" at 8417.19,5142.35 h0.01; PIN_NUMBER "B19" at 8574.67,5142.35 h0.01; PIN_NUMBER "B20" at 8614.04,5142.35 h0.01; PIN_NUMBER "B23" at 8732.15,5142.35 h0.01; PIN_NUMBER "B24" at 8771.52,5142.35 h0.01; PIN_NUMBER "B27" at 8889.63,5142.35 h0.01; PIN_NUMBER "B28" at 8929,5142.35 h0.01; PIN_NUMBER "A11" at 8180.97,5142.35 h0.01; PIN_NUMBER "A13" at 8338.45,5142.35 h0.01; PIN_NUMBER "A14" at 8377.82,5142.35 h0.01; PIN_NUMBER "A16" at 8456.56,5142.35 h0.01; PIN_NUMBER "A17" at 8495.93,5142.35 h0.01; PIN_NUMBER "A25" at 8810.89,5142.35 h0.01; PIN_NUMBER "A21" at 8653.41,5142.35 h0.01; PIN_NUMBER "A26" at 8850.26,5142.35 h0.01; PIN_NUMBER "A29" at 8968.37,5142.35 h0.01; PIN_NUMBER "A30" at 9007.74,5142.35 h0.01; PIN_NUMBER "A22" at 8692.78,5142.35 h0.01; PIN_NUMBER "B31" at 9047.11,5161.85 h0.01; PIN_NUMBER "B17" at 8495.93,5142.35 h0.01; PIN_NUMBER "A1" at 7787.27,5161.85 h0.01; PIN_NUMBER "B8" at 8062.86,5142.35 h0.01; PIN_NUMBER "A9" at 8102.23,5142.35 h0.01; PIN_NUMBER "A10" at 8141.6,5142.35 h0.01; PIN_NUMBER "B1" at 7787.27,5142.35 h0.01; PIN_NUMBER "B2" at 7826.64,5142.35 h0.01; PIN_NUMBER "B3" at 7866.01,5142.35 h0.01; PIN_NUMBER "A2" at 7826.64,5142.35 h0.01; PIN_NUMBER "A3" at 7866.01,5142.35 h0.01; MECH_DIMENSION "22.15" at 8628.39,4587.98 h31; MECH_DIMENSION "20" at 8734.78,4723.85 h31; MECH_DIMENSION "45 X0.5" at 7039.65,4738.09 h50; MECH_DIMENSION "0.95" at 8425.79,5252.27 h50; MECH_DIMENSION "0.95" at 7947.9,5311.24 h50; MECH_DIMENSION "1.9" at 7969.25,5489.68 h50; MECH_DIMENSION "1.5" at 7972.8,5382.2 h50; MECH_DIMENSION "1.5" at 8441.78,5383.24 h50; MECH_DIMENSION "12.15" at 7922.01,4578.98 h50; MECH_DIMENSION "1" at 8753.3,4861.28 h50; MECH_DIMENSION "10" at 7955.12,4716.23 h50; MECH_DIMENSION "1" at 8032.84,4825.61 h50; MECH_DIMENSION "Pad:rec28x126-bot" at 6865.58,5328.53 h50; MECH_DIMENSION "Pad:rec28x126-top" at 9300.06,5362.79 h50; MECH_DIMENSION "Pad:rec28x165-top" at 8905.71,5602.18 h50; MECH_DIMENSION "Pad:rec28x165-bot" at 8892.76,5531.5 h50; MECH_DIMENSION "[4PALCES]" at 7013.42,4645.64 h50; MECH_DIMENSION "Dimension in mm." at 8128.28,5648.22 h50
R51: PIN_NUMBER "2" at 12220.9,8195.85 h25 r90; PIN_NUMBER "1" at 12220.9,8135.85 h25 r90; DIMENSION "R0603" at 12464.57,8083.85 h32 r90; DIMENSION "60.00" at 12372.4,7809.85 h25 r90; DIMENSION "1.52" at 12372.4,7963.85 h25 r90
R52: PIN_NUMBER "2" at 6987.66,8317.46 h25 r90; PIN_NUMBER "1" at 6987.66,8377.46 h25 r90; DIMENSION "R0603" at 7231.33,8429.46 h32 r90; DIMENSION "60.00" at 7139.16,8703.46 h25 r90; DIMENSION "1.52" at 7139.16,8549.46 h25 r90
R53: PIN_NUMBER "1" at 6762.8,8374.32 h25 r180; PIN_NUMBER "2" at 6702.8,8374.32 h25 r180; DIMENSION "R0603" at 6824.8,8607.99 h32 r180; DIMENSION "60.00" at 7098.8,8515.82 h25 r180; DIMENSION "1.52" at 6944.8,8515.82 h25 r180
R54: PIN_NUMBER "1" at 6762.8,8309.32 h25 r180; PIN_NUMBER "2" at 6702.8,8309.32 h25 r180; DIMENSION "R0603" at 6824.8,8542.99 h32 r180; DIMENSION "60.00" at 7098.8,8450.82 h25 r180; DIMENSION "1.52" at 6944.8,8450.82 h25 r180
R55: PIN_NUMBER "2" at 6842.8,8199.6 h25; PIN_NUMBER "1" at 6902.8,8199.6 h25; DIMENSION "R0603" at 6964.8,7965.93 h32; DIMENSION "60.00" at 7238.8,8058.1 h25; DIMENSION "1.52" at 7084.8,8058.1 h25
R56: PIN_NUMBER "2" at 6842.8,8264.6 h25; PIN_NUMBER "1" at 6902.8,8264.6 h25; DIMENSION "R0603" at 6964.8,8030.93 h32; DIMENSION "60.00" at 7238.8,8123.1 h25; DIMENSION "1.52" at 7084.8,8123.1 h25
R57: PIN_NUMBER "2" at 6884.18,8120.85 h25 r270; PIN_NUMBER "1" at 6884.18,8180.85 h25 r270; DIMENSION "R0603" at 6660.51,8232.85 h32 r270; DIMENSION "60.00" at 6752.68,8506.85 h25 r270; DIMENSION "1.52" at 6752.68,8352.85 h25 r270
R58: PIN_NUMBER "2" at 6728.8,8773.46 h25; PIN_NUMBER "1" at 6788.8,8773.46 h25; DIMENSION "R0603" at 6850.8,8539.79 h32; DIMENSION "60.00" at 7124.8,8631.96 h25; DIMENSION "1.52" at 6970.8,8631.96 h25
R59: PIN_NUMBER "2" at 6902.8,8329.32 h25 r180; PIN_NUMBER "1" at 6842.8,8329.32 h25 r180; DIMENSION "R0603" at 6800.8,8562.99 h32 r180; DIMENSION "60.00" at 6526.8,8470.82 h25 r180; DIMENSION "1.52" at 6680.8,8470.82 h25 r180
R60: PIN_NUMBER "2" at 6768.8,8365.46 h25 r180; PIN_NUMBER "1" at 6708.8,8365.46 h25 r180; DIMENSION "R0603" at 6666.8,8599.13 h32 r180; DIMENSION "60.00" at 6392.8,8506.96 h25 r180; DIMENSION "1.52" at 6546.8,8506.96 h25 r180
R61: PIN_NUMBER "2" at 6767.8,8303.96 h25 r180; PIN_NUMBER "1" at 6707.8,8303.96 h25 r180; DIMENSION "R0603" at 6665.8,8537.63 h32 r180; DIMENSION "60.00" at 6391.8,8445.46 h25 r180; DIMENSION "1.52" at 6545.8,8445.46 h25 r180
R62: PIN_NUMBER "2" at 6705.04,8246.71 h25 r180; PIN_NUMBER "1" at 6765.04,8246.71 h25 r180; DIMENSION "R0603" at 6827.04,8480.38 h32 r180; DIMENSION "60.00" at 7101.04,8388.21 h25 r180; DIMENSION "1.52" at 6947.04,8388.21 h25 r180
R63: PIN_NUMBER "2" at 6827.18,8120.85 h25 r270; PIN_NUMBER "1" at 6827.18,8180.85 h25 r270; DIMENSION "R0603" at 6603.51,8232.85 h32 r270; DIMENSION "60.00" at 6695.68,8506.85 h25 r270; DIMENSION "1.52" at 6695.68,8352.85 h25 r270
R64: PIN_NUMBER "1" at 12047.9,7892.85 h25 r90; PIN_NUMBER "2" at 12047.9,7952.85 h25 r90; DIMENSION "R0603" at 12291.57,7840.85 h32 r90; DIMENSION "60.00" at 12199.4,7566.85 h25 r90; DIMENSION "1.52" at 12199.4,7720.85 h25 r90
R65: PIN_NUMBER "1" at 11985.9,7891.85 h25 r90; PIN_NUMBER "2" at 11985.9,7951.85 h25 r90; DIMENSION "R0603" at 12229.57,7839.85 h32 r90; DIMENSION "60.00" at 12137.4,7565.85 h25 r90; DIMENSION "1.52" at 12137.4,7719.85 h25 r90
R66: PIN_NUMBER "1" at 6740.04,6521.85 h25 r90; PIN_NUMBER "2" at 6740.04,6461.85 h25 r90; DIMENSION "R0603" at 6983.71,6573.85 h32 r90; DIMENSION "60.00" at 6891.54,6847.85 h25 r90; DIMENSION "1.52" at 6891.54,6693.85 h25 r90
R67: PIN_NUMBER "2" at 7445.9,6789.85 h25 r90; PIN_NUMBER "1" at 7445.9,6729.85 h25 r90; DIMENSION "R0603" at 7689.57,6677.85 h32 r90; DIMENSION "60.00" at 7597.4,6403.85 h25 r90; DIMENSION "1.52" at 7597.4,6557.85 h25 r90
R68: PIN_NUMBER "2" at 7384.9,6863.85 h25 r90; PIN_NUMBER "1" at 7384.9,6803.85 h25 r90; DIMENSION "R0603" at 7628.57,6751.85 h32 r90; DIMENSION "60.00" at 7536.4,6477.85 h25 r90; DIMENSION "1.52" at 7536.4,6631.85 h25 r90
R69: PIN_NUMBER "1" at 7323.18,6864.85 h25 r270; PIN_NUMBER "2" at 7323.18,6804.85 h25 r270; DIMENSION "R0603" at 7099.51,6916.85 h32 r270; DIMENSION "60.00" at 7191.68,7190.85 h25 r270; DIMENSION "1.52" at 7191.68,7036.85 h25 r270
R70: PIN_NUMBER "1" at 6969.04,6806.99 h25; PIN_NUMBER "2" at 7029.04,6806.99 h25; DIMENSION "R0603" at 6927.04,6573.32 h32; DIMENSION "60.00" at 6653.04,6665.49 h25; DIMENSION "1.52" at 6807.04,6665.49 h25
R71: PIN_NUMBER "1" at 6680.04,7146.85 h25 r90; PIN_NUMBER "2" at 6680.04,7086.85 h25 r90; DIMENSION "R0603" at 6923.71,7198.85 h32 r90; DIMENSION "60.00" at 6831.54,7472.85 h25 r90; DIMENSION "1.52" at 6831.54,7318.85 h25 r90
R72: PIN_NUMBER "2" at 7261.9,6864.85 h25 r90; PIN_NUMBER "1" at 7261.9,6804.85 h25 r90; DIMENSION "R0603" at 7505.57,6752.85 h32 r90; DIMENSION "60.00" at 7413.4,6478.85 h25 r90; DIMENSION "1.52" at 7413.4,6632.85 h25 r90
R73: PIN_NUMBER "2" at 7524.04,6433.71 h25 r180; PIN_NUMBER "1" at 7464.04,6433.71 h25 r180; DIMENSION "R0603" at 7422.04,6667.38 h32 r180; DIMENSION "60.00" at 7148.04,6575.21 h25 r180; DIMENSION "1.52" at 7302.04,6575.21 h25 r180
R74: PIN_NUMBER "2" at 7524.04,6492.71 h25 r180; PIN_NUMBER "1" at 7464.04,6492.71 h25 r180; DIMENSION "R0603" at 7422.04,6726.38 h32 r180; DIMENSION "60.00" at 7148.04,6634.21 h25 r180; DIMENSION "1.52" at 7302.04,6634.21 h25 r180
R75: PIN_NUMBER "2" at 7524.04,6610.71 h25 r180; PIN_NUMBER "1" at 7464.04,6610.71 h25 r180; DIMENSION "R0603" at 7422.04,6844.38 h32 r180; DIMENSION "60.00" at 7148.04,6752.21 h25 r180; DIMENSION "1.52" at 7302.04,6752.21 h25 r180
R76: PIN_NUMBER "2" at 7524.04,6551.71 h25 r180; PIN_NUMBER "1" at 7464.04,6551.71 h25 r180; DIMENSION "R0603" at 7422.04,6785.38 h32 r180; DIMENSION "60.00" at 7148.04,6693.21 h25 r180; DIMENSION "1.52" at 7302.04,6693.21 h25 r180
R77: PIN_NUMBER "2" at 7160.04,6338.71 h25 r180; PIN_NUMBER "1" at 7220.04,6338.71 h25 r180; DIMENSION "R0603" at 7282.04,6572.38 h32 r180; DIMENSION "60.00" at 7556.04,6480.21 h25 r180; DIMENSION "1.52" at 7402.04,6480.21 h25 r180
R78: PIN_NUMBER "1" at 7524.04,6728.99 h25; PIN_NUMBER "2" at 7464.04,6728.99 h25; DIMENSION "R0603" at 7586.04,6495.32 h32; DIMENSION "60.00" at 7860.04,6587.49 h25; DIMENSION "1.52" at 7706.04,6587.49 h25
R79: PIN_NUMBER "1" at 7032.04,6338.99 h25; PIN_NUMBER "2" at 7092.04,6338.99 h25; DIMENSION "R0603" at 6990.04,6105.32 h32; DIMENSION "60.00" at 6716.04,6197.49 h25; DIMENSION "1.52" at 6870.04,6197.49 h25
R80: PIN_NUMBER "2" at 7524.04,6669.71 h25 r180; PIN_NUMBER "1" at 7464.04,6669.71 h25 r180; DIMENSION "R0603" at 7422.04,6903.38 h32 r180; DIMENSION "60.00" at 7148.04,6811.21 h25 r180; DIMENSION "1.52" at 7302.04,6811.21 h25 r180
R81: PIN_NUMBER "2" at 7378.9,6170.85 h25 r90; PIN_NUMBER "1" at 7378.9,6110.85 h25 r90; DIMENSION "R0603" at 7622.57,6058.85 h32 r90; DIMENSION "60.00" at 7530.4,5784.85 h25 r90; DIMENSION "1.52" at 7530.4,5938.85 h25 r90
R82: PIN_NUMBER "1" at 7321.18,6170.85 h25 r270; PIN_NUMBER "2" at 7321.18,6110.85 h25 r270; DIMENSION "R0603" at 7097.51,6222.85 h32 r270; DIMENSION "60.00" at 7189.68,6496.85 h25 r270; DIMENSION "1.52" at 7189.68,6342.85 h25 r270
R83: PIN_NUMBER "1" at 6966.04,6106.99 h25; PIN_NUMBER "2" at 7026.04,6106.99 h25; DIMENSION "R0603" at 6924.04,5873.32 h32; DIMENSION "60.00" at 6650.04,5965.49 h25; DIMENSION "1.52" at 6804.04,5965.49 h25
R84: PIN_NUMBER "2" at 6740.04,5601.85 h25 r90; PIN_NUMBER "1" at 6740.04,5661.85 h25 r90; DIMENSION "R0603" at 6983.71,5713.85 h32 r90; DIMENSION "60.00" at 6891.54,5987.85 h25 r90; DIMENSION "1.52" at 6891.54,5833.85 h25 r90
R85: PIN_NUMBER "2" at 6675.9,6234.85 h25 r90; PIN_NUMBER "1" at 6675.9,6294.85 h25 r90; DIMENSION "R0603" at 6919.57,6346.85 h32 r90; DIMENSION "60.00" at 6827.4,6620.85 h25 r90; DIMENSION "1.52" at 6827.4,6466.85 h25 r90
R86: PIN_NUMBER "2" at 7262.9,6170.85 h25 r90; PIN_NUMBER "1" at 7262.9,6110.85 h25 r90; DIMENSION "R0603" at 7506.57,6058.85 h32 r90; DIMENSION "60.00" at 7414.4,5784.85 h25 r90; DIMENSION "1.52" at 7414.4,5938.85 h25 r90
R87: PIN_NUMBER "2" at 7515.04,5794.71 h25 r180; PIN_NUMBER "1" at 7455.04,5794.71 h25 r180; DIMENSION "R0603" at 7413.04,6028.38 h32 r180; DIMENSION "60.00" at 7139.04,5936.21 h25 r180; DIMENSION "1.52" at 7293.04,5936.21 h25 r180
R88: PIN_NUMBER "2" at 7515.04,5735.71 h25 r180; PIN_NUMBER "1" at 7455.04,5735.71 h25 r180; DIMENSION "R0603" at 7413.04,5969.38 h32 r180; DIMENSION "60.00" at 7139.04,5877.21 h25 r180; DIMENSION "1.52" at 7293.04,5877.21 h25 r180
R89: PIN_NUMBER "2" at 7515.04,5853.71 h25 r180; PIN_NUMBER "1" at 7455.04,5853.71 h25 r180; DIMENSION "R0603" at 7413.04,6087.38 h32 r180; DIMENSION "60.00" at 7139.04,5995.21 h25 r180; DIMENSION "1.52" at 7293.04,5995.21 h25 r180
R90: PIN_NUMBER "2" at 7514.04,5911.71 h25 r180; PIN_NUMBER "1" at 7454.04,5911.71 h25 r180; DIMENSION "R0603" at 7412.04,6145.38 h32 r180; DIMENSION "60.00" at 7138.04,6053.21 h25 r180; DIMENSION "1.52" at 7292.04,6053.21 h25 r180
R91: PIN_NUMBER "2" at 7188.18,5612.85 h25 r270; PIN_NUMBER "1" at 7188.18,5672.85 h25 r270; DIMENSION "R0603" at 6964.51,5724.85 h32 r270; DIMENSION "60.00" at 7056.68,5998.85 h25 r270; DIMENSION "1.52" at 7056.68,5844.85 h25 r270
R92: PIN_NUMBER "1" at 7513.04,6027.99 h25; PIN_NUMBER "2" at 7453.04,6027.99 h25; DIMENSION "R0603" at 7575.04,5794.32 h32; DIMENSION "60.00" at 7849.04,5886.49 h25; DIMENSION "1.52" at 7695.04,5886.49 h25
R93: PIN_NUMBER "1" at 7127.9,5612.85 h25 r90; PIN_NUMBER "2" at 7127.9,5672.85 h25 r90; DIMENSION "R0603" at 7371.57,5560.85 h32 r90; DIMENSION "60.00" at 7279.4,5286.85 h25 r90; DIMENSION "1.52" at 7279.4,5440.85 h25 r90
R94: PIN_NUMBER "2" at 7513.04,5969.71 h25 r180; PIN_NUMBER "1" at 7453.04,5969.71 h25 r180; DIMENSION "R0603" at 7411.04,6203.38 h32 r180; DIMENSION "60.00" at 7137.04,6111.21 h25 r180; DIMENSION "1.52" at 7291.04,6111.21 h25 r180
R95: PIN_NUMBER "2" at 7438.9,6105.85 h25 r90; PIN_NUMBER "1" at 7438.9,6045.85 h25 r90; DIMENSION "R0603" at 7682.57,5993.85 h32 r90; DIMENSION "60.00" at 7590.4,5719.85 h25 r90; DIMENSION "1.52" at 7590.4,5873.85 h25 r90
R101: PIN_NUMBER "2" at 8533.18,5414.85 h25 r270; PIN_NUMBER "1" at 8533.18,5474.85 h25 r270; DIMENSION "R0603" at 8309.51,5526.85 h32 r270; DIMENSION "60.00" at 8401.68,5800.85 h25 r270; DIMENSION "1.52" at 8401.68,5646.85 h25 r270
R102: PIN_NUMBER "2" at 9035.18,5412.85 h25 r270; PIN_NUMBER "1" at 9035.18,5472.85 h25 r270; DIMENSION "R0603" at 8811.51,5524.85 h32 r270; DIMENSION "60.00" at 8903.68,5798.85 h25 r270; DIMENSION "1.52" at 8903.68,5644.85 h25 r270
R103: PIN_NUMBER "1" at 8123.04,5472.85 h25 r90; PIN_NUMBER "2" at 8123.04,5412.85 h25 r90; DIMENSION "R0603" at 8366.71,5524.85 h32 r90; DIMENSION "60.00" at 8274.54,5798.85 h25 r90; DIMENSION "1.52" at 8274.54,5644.85 h25 r90
R104: PIN_NUMBER "2" at 12955.04,8290.71 h25 r180; PIN_NUMBER "1" at 12895.04,8290.71 h25 r180; DIMENSION "R0603" at 12853.04,8524.38 h32 r180; DIMENSION "60.00" at 12579.04,8432.21 h25 r180; DIMENSION "1.52" at 12733.04,8432.21 h25 r180
R105: PIN_NUMBER "2" at 12955.04,8410.71 h25 r180; PIN_NUMBER "1" at 12895.04,8410.71 h25 r180; DIMENSION "R0603" at 12853.04,8644.38 h32 r180; DIMENSION "60.00" at 12579.04,8552.21 h25 r180; DIMENSION "1.52" at 12733.04,8552.21 h25 r180
R106: PIN_NUMBER "2" at 12955.04,8625.71 h25 r180; PIN_NUMBER "1" at 12895.04,8625.71 h25 r180; DIMENSION "R0603" at 12853.04,8859.38 h32 r180; DIMENSION "60.00" at 12579.04,8767.21 h25 r180; DIMENSION "1.52" at 12733.04,8767.21 h25 r180
R107: PIN_NUMBER "2" at 12955.04,8685.71 h25 r180; PIN_NUMBER "1" at 12895.04,8685.71 h25 r180; DIMENSION "R0603" at 12853.04,8919.38 h32 r180; DIMENSION "60.00" at 12579.04,8827.21 h25 r180; DIMENSION "1.52" at 12733.04,8827.21 h25 r180
R108: PIN_NUMBER "1" at 6635.04,8307.71 h25 r180; PIN_NUMBER "2" at 6575.04,8307.71 h25 r180; DIMENSION "R0603" at 6697.04,8541.38 h32 r180; DIMENSION "60.00" at 6971.04,8449.21 h25 r180; DIMENSION "1.52" at 6817.04,8449.21 h25 r180
R109: PIN_NUMBER "2" at 6437.04,8167.71 h25 r180; PIN_NUMBER "1" at 6497.04,8167.71 h25 r180; DIMENSION "R0603" at 6559.04,8401.38 h32 r180; DIMENSION "60.00" at 6833.04,8309.21 h25 r180; DIMENSION "1.52" at 6679.04,8309.21 h25 r180
R110: PIN_NUMBER "2" at 6498.04,8108.99 h25; PIN_NUMBER "1" at 6438.04,8108.99 h25; DIMENSION "R0603" at 6396.04,7875.32 h32; DIMENSION "60.00" at 6122.04,7967.49 h25; DIMENSION "1.52" at 6276.04,7967.49 h25
R111: PIN_NUMBER "2" at 12955.04,8565.71 h25 r180; PIN_NUMBER "1" at 12895.04,8565.71 h25 r180; DIMENSION "R0603" at 12853.04,8799.38 h32 r180; DIMENSION "60.00" at 12579.04,8707.21 h25 r180; DIMENSION "1.52" at 12733.04,8707.21 h25 r180
R112: PIN_NUMBER "2" at 12955.04,8350.71 h25 r180; PIN_NUMBER "1" at 12895.04,8350.71 h25 r180; DIMENSION "R0603" at 12853.04,8584.38 h32 r180; DIMENSION "60.00" at 12579.04,8492.21 h25 r180; DIMENSION "1.52" at 12733.04,8492.21 h25 r180
R113: PIN_NUMBER "2" at 12955.04,8500.71 h25 r180; PIN_NUMBER "1" at 12895.04,8500.71 h25 r180; DIMENSION "R0603" at 12853.04,8734.38 h32 r180; DIMENSION "60.00" at 12579.04,8642.21 h25 r180; DIMENSION "1.52" at 12733.04,8642.21 h25 r180
R121: PIN_NUMBER "2" at 6891.9,8986.85 h25 r90; PIN_NUMBER "1" at 6891.9,9046.85 h25 r90; DIMENSION "R0603" at 7135.57,9098.85 h32 r90; DIMENSION "60.00" at 7043.4,9372.85 h25 r90; DIMENSION "1.52" at 7043.4,9218.85 h25 r90
R122: PIN_NUMBER "2" at 6991.9,8986.85 h25 r90; PIN_NUMBER "1" at 6991.9,9046.85 h25 r90; DIMENSION "R0603" at 7235.57,9098.85 h32 r90; DIMENSION "60.00" at 7143.4,9372.85 h25 r90; DIMENSION "1.52" at 7143.4,9218.85 h25 r90
R123: PIN_NUMBER "2" at 7217.9,8988.85 h25 r90; PIN_NUMBER "1" at 7217.9,9048.85 h25 r90; DIMENSION "R0603" at 7461.57,9100.85 h32 r90; DIMENSION "60.00" at 7369.4,9374.85 h25 r90; DIMENSION "1.52" at 7369.4,9220.85 h25 r90
R124: PIN_NUMBER "2" at 7441.9,9104.85 h25 r90; PIN_NUMBER "1" at 7441.9,9164.85 h25 r90; DIMENSION "R0603" at 7685.57,9216.85 h32 r90; DIMENSION "60.00" at 7593.4,9490.85 h25 r90; DIMENSION "1.52" at 7593.4,9336.85 h25 r90
R125: PIN_NUMBER "2" at 12684.11,8072.18 h25 r90; PIN_NUMBER "1" at 12684.11,8012.18 h25 r90; DIMENSION "R0603" at 12927.78,7960.18 h32 r90; DIMENSION "60.00" at 12835.61,7686.18 h25 r90; DIMENSION "1.52" at 12835.61,7840.18 h25 r90
R126: PIN_NUMBER "2" at 12618.55,8152.62 h25 r180; PIN_NUMBER "1" at 12678.55,8152.62 h25 r180; DIMENSION "R0603" at 12740.55,8386.29 h32 r180; DIMENSION "60.00" at 13014.55,8294.12 h25 r180; DIMENSION "1.52" at 12860.55,8294.12 h25 r180
R127: PIN_NUMBER "2" at 12502.01,7609.84 h25 r180; PIN_NUMBER "1" at 12562.01,7609.84 h25 r180; DIMENSION "R0603" at 12624.01,7843.51 h32 r180; DIMENSION "60.00" at 12898.01,7751.34 h25 r180; DIMENSION "1.52" at 12744.01,7751.34 h25 r180
R131: PIN_NUMBER "2" at 11099.89,5691.84 h25 r90; PIN_NUMBER "1" at 11099.9,5631.84 h25 r90; DIMENSION "R0603" at 11343.57,5579.84 h32 r90; DIMENSION "60.00" at 11251.4,5305.85 h25 r90; DIMENSION "1.52" at 11251.4,5459.84 h25 r90
R133: PIN_NUMBER "2" at 11039.91,5691.85 h25 r90; PIN_NUMBER "1" at 11039.9,5631.85 h25 r90; DIMENSION "R0603" at 11283.57,5579.85 h32 r90; DIMENSION "60.00" at 11191.41,5305.85 h25 r90; DIMENSION "1.52" at 11191.4,5459.85 h25 r90